# Altium PCB LAUNCHXL-F28379D-REV2.0.PcbDoc (part 2 of 4)
Units mil, origin at the board's own origin, x right, y up, seen from the top; angles counter-clockwise.
Board outline 5110 x 2300 mil, 6 copper layers (Top, GND, Route1, Route2, VDD, Bottom), stack 61.008 mil thick; 247 components, 311 nets, 1123 pads, 621 vias.
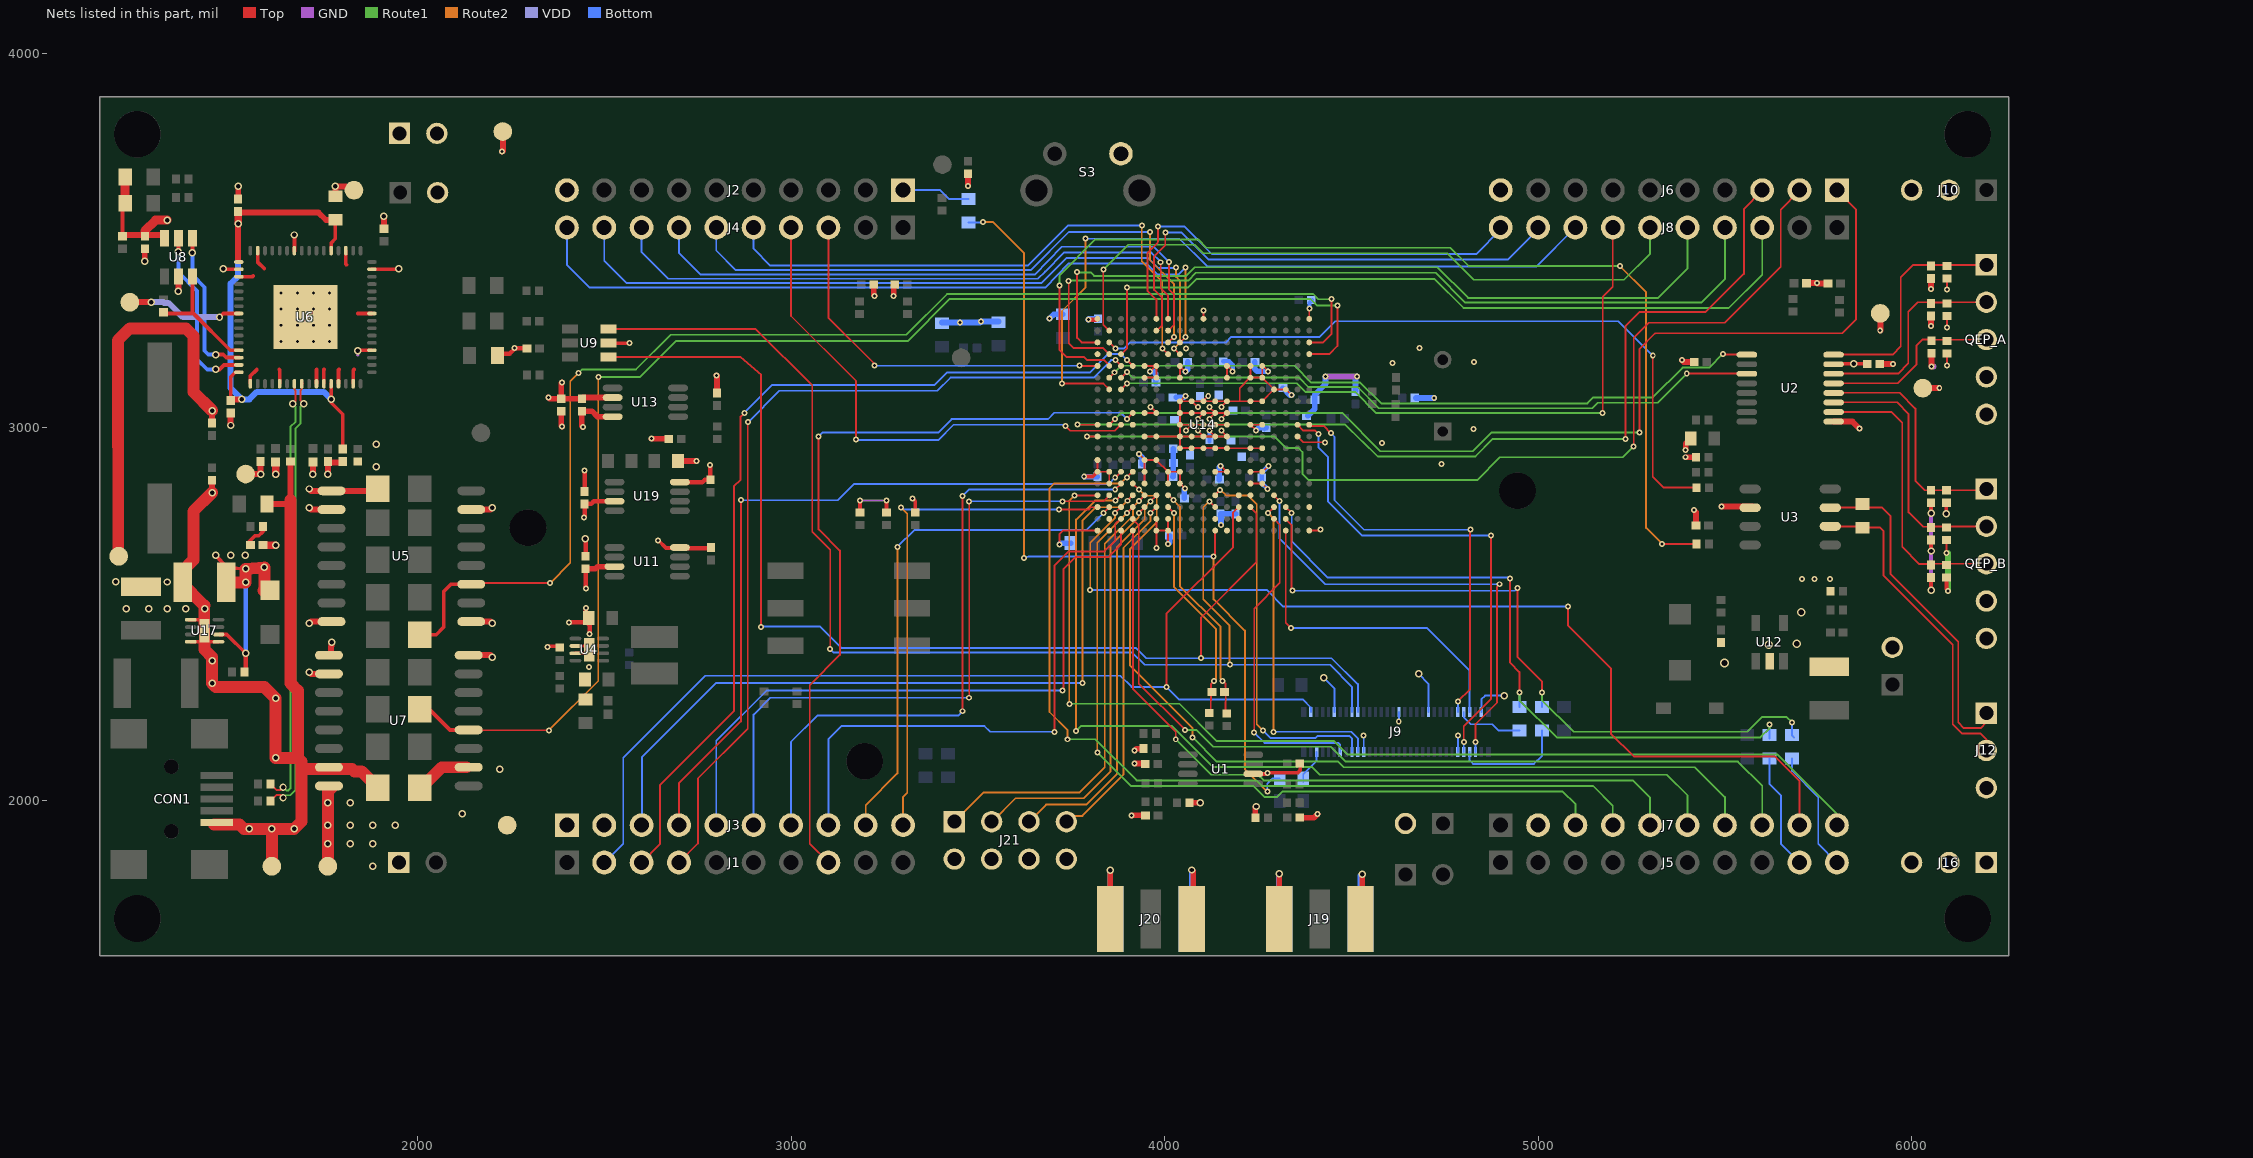
[diagram p6: the nets of this part, all layers, seen from the top]

## Via types
v1: diameter 16/16/16/16/16/16 (per signal layer), hole 8, Top to Bottom, tented both sides, 453 vias
v2: diameter 20/20/20/20/20/20 (per signal layer), hole 12, Top to Bottom, tented both sides, 122 vias
v3: diameter 16, hole 8, Top to Bottom, tented both sides, 22 vias
v4: diameter 20, hole 8, Top to Bottom, tented both sides, 16 vias
v5: diameter 23/23/23/23/23/23 (per signal layer), hole 15, Top to Bottom, tented both sides, 4 vias
v6: diameter 20, hole 12, Top to Bottom, tented both sides, 4 vias

## Nets (pads, with @x,y where several pads share a name; then routed paths per layer and width w, separated by ;. In a path a pad name is that pad's centre, name@x,y a point inside that pad or via, vN(x,y) a via of type N, cw(c..) or ccw(c..) an arc to the next point about the centre after c; other vN are vias at no path point) (continued)
+5V: C1.2 C2.2 C5.2 C9.2 C32.2 J3.1 J16.1 JP3.2 JP5.2 JP6.2 QEP_A.4 QEP_B.4 R13.1 R29.1 R48.1 R49.1 R50.1 R51.1 U2.15 U11.7 U13.2 U19.7 | length 852.8
  Top w5: C32.2@5877.72,3169.41 C32.2@5878.31,3170 ; v1(6093,2664) R50.1@6093,2695.32 ; v1(6095,3165) R48.1@6095,3195.32 ; v1(6095,3267) R29.1@6095,3295.32 ; v1(6095,3369) R13.1@6095,3395.32
  Top w10: U2.15@5776,3170 v2(5845,3170) C32.2@5878.31,3170 ; R51.1@6093,2595.32 6093.19,2595.5 6093.5,2595.5 6093.5,2567.5 v1@6098,2563 ; v2(6093,2769) R49.1@6093,2795.32
  Top w12: v1(2446,2759) 2447.56,2760.56 C5.2@2447.56,2794.84 2464.84,2794.84 2472.2,2802.2 U19.7@2527.4,2802.2 ; C9.2@2450.04,2621.48 2450.04,2569.96 v1(2451,2569)
  Top w15: v1(2350.5,3080) 2353.77,3076.73 C2.2@2385,3076.73 ; v1(2387,3120.5) 2385,3118.5 C2.2@2385,3076.73 ; C9.2@2450.04,2621.48 2476.48,2621.48 2482.2,2627.2 U11.7@2527.4,2627.2 ; U13.2@2522.4,3079.8 2443.06,3079.8 C1.2@2440,3076.73 C2.2@2385,3076.73
  Route1 w16: v1@6098,2563 v1@6098,2664
  other v1: 6098,2562
ADCIN14/ANALOGIN: J3.3 U14.T4 | length 2039.6
  Top w5: v1(3900.5,2803.5) U14.T4@3915.02,2818.02
  Route2 w5: v1(3780.01,2315.92) 3780,2328.92 3780,2750 3816,2786 3883,2786 v1(3900.5,2803.5)
  Bottom w5: J3.3@2601.33,1936.33 2601.33,2117.83 2799.5,2316 3719,2315.88 v1(3780.01,2315.92)
ADCIN15/ANALOGIN: J7.3 U14.U4 | length 2102.1
  Top w5: v1(3900,2771) 3915.06,2786.06 U14.U4@3915.06,2786.53
  Route1 w5: v1(3820,2130) 3910,2040 4238,2040 4268,2010 4300,2010 4315,2025 5065.73,2025 5100,1992 J7.3@5100,1935
  Route2 w5: v1(3820,2130) 3820,2691 v1(3900,2771)
ADCINA0/ANALOGIN(DACA): J3.10 U14.U1 | length 1391.4
  Top w5: v1(3718,2780) 3797,2780 3803,2786 3817.1,2786 U14.U1@3820.58,2786.53
  Route2 w5: v1(3295,2785) 3311,2769 3311,2022 3300,2011 J3.10@3300,1935
  Bottom w5: v1(3295,2785) 3300,2780 v1(3718,2780)
ADCINA1/ANALOGIN(DACB): J7.10 U14.T1 | length 2832.6
  Top w5: v1(3759,2818) 3779.02,2818.02 U14.T1@3820.58,2818.02
  Route1 w5: v1(3745,2260) 4040,2260 4140,2160 4454,2160 4490,2124 5641,2124 5800,1965 J7.10@5800,1935
  Route2 w5: v1(3745,2260) 3745,2804 v1(3759,2818)
ADCINA2/ANALOGIN: J3.9 U14.U2 | length 1391.7
  Top w5: v1(3837,2771) 3852.03,2786.03 U14.U2@3852.03,2786.53
  Route2 w5: J3.9@3200,1935 3200,1988.63 3285,2073.63 v1(3285,2680)
  Bottom w5: v1(3285,2680) 3330,2725 3791,2725 v1(3837,2771)
ADCINA3/ANALOGIN: J3.6 U14.T2 | length 1799.2
  Top w5: v1(3477,2801) 3477,2279.09 v1(3477.03,2276.13) ; v1(3727,2802) 3837,2802 3852.07,2817.07 U14.T2@3852.07,2818.02
  Bottom w5: J3.6@2900,1935 2900,2231 2945,2276 3463.16,2276 v1(3477.03,2276.13) ; v1(3477,2801) 3478,2802 v1(3727,2802)
ADCINA4/ANALOGIN: J7.9 U14.U3 | length 2616.6
  Top w5: v1(3867,2771) 3882.53,2786.53 U14.U3@3883.57,2786.53 ; v1(5080,2520) 5080,2470 5195,2355 5195,2180 5256,2119 5633,2119 5700,2052 J7.9@5700,1935
  Route2 w5: v1(3801,2565) 3801,2691 3867,2757 v1(3867,2771)
  Bottom w5: v1(3801,2565) 4273,2565 4318,2520 v1(5080,2520)
ADCINA5/ANALOGIN: J7.6 U14.T3 | length 2512.5
  Top w5: v1(3869,2804) 3883.02,2818.02 U14.T3@3883.57,2818.02
  Route1 w5: v1(3763,2187) 3776,2200 4020,2200 4129,2091 4394,2091 4415,2070 5345,2070 5400,2015 J7.6@5400,1935
  Route2 w5: v1(3763,2187) 3763,2753 3814,2804 v1(3869,2804)
ADCINB0: U14.V2
ADCINB1: U14.W2
ADCINB2/ANALOGIN: J3.8 U14.V3 | length 1556.6
  Top w5: v1(3705,2185) 3705,2629 3744,2668 3839,2668 3868,2697 3868,2742 3882.03,2755.03 U14.V3@3883.57,2755.03
  Bottom w5: J3.8@3100,1935 3100,2165 3135,2200 3518,2200 3533,2185 v1(3705,2185)
ADCINB3/ANALOGIN: J3.5 U14.W3 | length 1756.2
  Top w5: v1(3726.5,2295.5) 3729,2294 3729,2620 3762,2653 3850,2653 3883.57,2686.57 U14.W3@3883.57,2723.54
  Bottom w5: J3.5@2800,1935 2800,2161 2934.5,2295.5 v1(3726.5,2295.5)
ADCINB4/ANALOGIN: J7.8 U14.V4 | length 2336.6
  Top w5: U14.V4@3915.06,2755.03 3914.03,2755.03 3931,2738.06 3931,2314 v1(4055,2190)
  Route1 w5: v1(4055,2190) 4085,2190 4130,2145 4445,2145 4485,2105 5535,2105 5600,2040 J7.8@5600,1935
ADCINB5/ANALOGIN: J7.5 U14.W4 | length 2014.2
  Top w5: U14.W4@3915.06,2723.54 3915.06,2299.94 4030,2185 v1(4030,2165)
  Route1 w5: v1(4030,2165) 4125,2070 4250,2070 4265,2055 5253,2055 5300,2008 J7.5@5300,1935
ADCINC2/ANALOGIN: J3.7 U14.R3 | length 1730.7
  Top w5: v1(3459,2240) v1(3459,2816) ; v1(3868,2834) 3883.52,2849.52 U14.R3@3883.57,2849.52
  Bottom w5: J3.7@3000,1935 3000,2158 3071,2229 3449,2229 v1(3459,2240) ; v1(3459,2816) 3477,2834 v1(3868,2834)
ADCINC3/ANALOGIN: J3.4 U14.P3 | length 1987.7
  Top w5: J3.4@2700,1935 2700,2047 2866,2213 v1(2866,2805) ; v1(3868,2866) 3869.55,2867 U14.P3@3883.57,2881.02
  Bottom w5: v1(2866,2805) 3125,2805 3168,2848 3850,2848 v1(3868,2866)
ADCINC4/ANALOGIN: J7.7 U14.R4 | length 2385.8
  Top w5: U14.R4@3915.06,2849.52 3915.48,2849.52 v1(3932,2833)
  Route1 w5: v1(4075,2170) 4140,2105 4465,2105 4480,2090 5420,2090 5500,2010 J7.7@5500,1935
  Route2 w5: v1(3932,2833) 3948,2817 3973,2817 3979,2811 3979,2746 3908,2675 3908,2362 4075,2195 v1(4075,2170)
ADCINC5/ANALOGIN: J7.4 U14.P4 | length 2518.9
  Top w5: v1(3899,2866) 3914.02,2881.02 U14.P4@3915.06,2881.02
  Route1 w5: v3(3740,2165) 3815,2165 3925,2055 4245,2055 4260,2040 5147,2040 5200,1987 J7.4@5200,1935
  Route2 w5: v3(3740,2165) 3740,2190 3692,2238 3692,2837 3705,2850 3883,2850 v1(3899,2866)
ADCIND0: J21.1 U14.T5 | length 1236.7
  Top w5: v1(3931,2802.5) 3930.54,2802 U14.T5@3946.56,2818.02
  Route2 w5: J21.1@3437.17,1944.21 3514.96,2022 3772,2022 3840,2090 3840,2688 3916,2764 3916,2787.5 v1(3931,2802.5)
ADCIND1: J21.3 U14.U5 | length 1119.7
  Top w5: v1(3931,2770.5) 3931,2770.97 U14.U5@3946.56,2786.53
  Route2 w5: J21.3@3537.17,1944.21 3538.16,1944.21 3600.95,2007 3784,2007 3855,2078 3855,2683 3931,2759 v1(3931,2770.5)
ADCIND2: J21.5 U14.T6 | length 1078.2
  Top w5: v1(3962,2802) 3978.06,2817.06 U14.T6@3978.06,2818.02
  Route2 w5: J21.5@3637.5,1944.55 J21.5@3637.17,1944.21 3682.95,1990 3790,1990 3873,2073 3873,2680 3947,2754 3947,2786 v1(3962,2802)
ADCIND3: J21.7 U14.U6 | length 958.3
  Top w5: v1(3962,2770.5) U14.U6@3978.06,2786.53
  Route2 w5: J21.7@3737,1943.88 J21.7@3737.17,1944.21 3752.95,1960 3780,1960 3890,2070 3890,2677 3962,2749 v1(3962,2770.5)
ADCIND4: C40.2 R58.1 U14.T7 | length 647.7
  Top w5: U14.T7@4009.02,2818.02 4010.98,2818.02 v1(4024,2805) ; v1(4155,2321) 4163.5,2313.23 C40.2@4163.7,2292.06 ; C40.2@4163.7,2292 4163.2,2240.66 R58.1@4166.72,2237.15
  Route2 w5: v1(4024,2805) 4041,2788 4041,2575.21 4150,2466.21 4150,2326 v1(4155,2321)
ADCIND5: C40.1 R65.1 U14.U7 | length 609.2
  Top w5: U14.U7@4009.55,2786.53 4025,2771.08 v1(4025,2771) ; R65.1@4119.44,2237.82 4123.83,2242.21 4124.33,2292.03 4124.33,2311.33 4124.5,2313.5 v1(4132.5,2321.5)
  Route2 w5: v1(4025,2771) 4025.5,2770 4025.5,2572.26 4138,2459.76 4138,2327 v1(4132.5,2321.5)
AGND: C10.1 C11.1 C12.1 C13.1 C14.1 C15.1 C16.1 C17.1 C18.1 C43.1 C44.2 C45.1 CON1.5 D4.1 JP2.1 R23.2 R24.1 R25.1 TP14.TP TP15.TP TP16.TP TP17.TP U5.2 U5.8 U6.1 U6.5 U6.10 U6.11 U6.13 U6.15 U6.25 U6.35 U6.47 U6.51 U6.65 U7.9 U7.15 U8.2 U17.1 U17.4 U17.5 U17.9 | length 4771.5
  Top w10: U17.1@1388.03,2485 U17.9@1419.37,2485 ; U17.4@1392.8,2425.94 U17.9@1419.06,2425.94 ; U17.9@1430.94,2425.94 U17.5@1467.2,2425.94 ; U6.51@1522.83,3403.27 1558.27,3403.27 1560,3405 ; U6.1@1552.36,3117.83 1552.36,3137.36 1570,3155 ; U6.47@1572.05,3472.17 1572.05,3442.95 1590,3425 ; 1630,3155 1631.1,3153.9 U6.5@1631.1,3117.83 ; U6.10@1729.53,3117.83 1729.53,3154.53 1730,3155 ; U6.11@1749.21,3117.83 1749.21,3154.21 1750,3155 ; U6.13@1788.58,3117.83 1788.58,3153.58 1790,3155 ; U6.35@1808.27,3472.17 1808.27,3436.73 1810,3435 ; U6.15@1827.95,3117.83 1827.95,3152.95 1830,3155 ; 1840,3305 1840.16,3304.84 U6.25@1877.17,3304.84 ; R25.1@1894.02,2035 R25.1@1894.02,2040.98
  Top w12: U17.9@1419.06,2425.94 1430,2415 ; U17.9@1419.37,2485 U17.9@1429.37,2475 ; U17.9@1430,2425 U17.9@1430.94,2425.94
  Top w15: v2(1270,3445) C16.1@1270,3478.27 ; C13.1@1520,3611.73 v2(1520,3645)
  Top w16: v2(1360,3365) U8.2@1360,3403.82 U8.2@1360,3413.82 ; v2(1450,2825) C18.1@1450,2855.32 ; C17.1@1450,3014.69 v2(1450,3045) ; v2(1500,3005) C12.1@1500,3035.32 ; TP16.TP@1540,2875 v2(1580,2875) C11.1@1580,2905.32 ; D4.1@1589.53,2795 D4.1@1597.4,2795 1650,2795 1660,2805 R24.1@1660,2908.27 ; v2(1710,2475) 1715,2480 U5.8@1768.9,2480 ; v2(1710,2785) 1715,2780 U5.2@1768.9,2780 ; v2(1760,2875) C10.1@1760,2905 ; C10.1@1760,2905.32 C10.1@1760,2905 ; U7.9@1768.9,2390 1768.9,2413.9 1770,2415 v2(1770,2425) ; C15.1@1780,3626.5 v2(1780,3645) 1810,3645 1820,3635 TP14.TP@1830,3635 ; C14.1@1800,2905.32 1760.32,2905.32 C10.1@1760,2905 ; R23.2@1910,3534.69 v2(1910,3565)
  Top w20: C43.1@1586.73,2685 v2(1620,2685)
  Top w30: v2@1429.37,2522.64 1429.37,2475 1429.37,2455.47 1430,2454.84 U17.9@1430,2425
  Top w32: TP17.TP@1198.89,2655 1198,3233 1230,3265 1380,3265 1400,3245 1400,3095 v2(1450,3045) ; C45.1@1367.01,2585 v2@1429.37,2522.64 ; C45.1@1370,2615 1400,2645 1400,2775 v2(1450,2825) ; U17.9@1430,2425 1430,2415 1430,2405 1450,2385 v2(1450,2375) v2(1450,2315) 1460,2305 1590,2305 v2(1620,2275) v2(1620,2115) 1680,2115 ; CON1.5@1455,1937 1523,1937 1535,1925 v2(1550,1925) v2(1610,1925) ; TP15.TP@1610,1825 v2(1610,1925) ; 1660,2805 1660,2315 1680,2295 1680,2115 ; R25.1@1894.02,2035 1850,2079.02 1830.98,2079.02 1825,2085 1690,2085 ; v2(1610,1925) v2(1670,1925) 1690,1945 1690,2085 ; 1680,2115 1690,2105 1690,2085
  other v2: 1220,2515 1280,2515 1330,2515 1380,2515 1430,2515 1330,2586 1192,2587
  other v4: 1635.04,3230.04 1678.35,3230.04 1721.65,3230.04 1764.96,3230.04 1635.04,3273.35 1678.35,3273.35 1721.65,3273.35 1764.96,3273.35 1635.04,3316.65 1678.35,3316.65 1721.65,3316.65 1764.96,3316.65 1635.04,3359.96 1678.35,3359.96 1721.65,3359.96 1764.96,3359.96
CANH: J12.1 R34.2 U3.7 | length 918.4
  Top w5: U3.7@5782.28,2785 5858.5,2785 R34.2@5868,2794.5 5877.5,2785 5921,2785 5943,2763 5943,2608 6125,2425.5 6125,2210 6140,2195 6185,2195 6200,2210 J12.1@6200,2235
CANL: J12.2 R34.1 U3.6 | length 878.6
  Top w5: U3.6@5782.28,2735 5864.5,2735 R34.1@5868,2731.5 5916,2731.5 5924.5,2723 5924.5,2604 6110,2418.5 6110,2205 6135,2180 6185,2180 6200,2165 J12.2@6200,2135
D+: R33.2 U6.8 | length 1188.8
  Top w4.9: R33.2@1606.73,2000 1622.73,2016 1633,2016 1640,2009 v6(1640,2008) ; U6.8@1690.16,3116.85 1690.16,3101.61 1686.82,3098.26 1686.91,3098.16 1686.91,3071.09 v6(1695,3063)
  Top w10: U6.8@1690.16,3116.85 U6.8@1690.16,3117.83
  Route1 w5.1: v6(1640,2008) 1647,2015 1660,2015 1673,2028 1673,2996 1686.82,3009.82 1686.82,3054.82 v6(1695,3063)
D-: R15.2 U6.7 | length 1166.5
  Top w4.9: R15.2@1606.73,2045 1622.73,2029 1633,2029 1640,2036 v6(1640,2037) ; v6(1666.37,3063) 1673.82,3070.45 1673.82,3098.26 1670.47,3101.61 U6.7@1670.47,3116.85
  Route1 w5.1: v6(1640,2037) 1649,2028 1654.62,2028 1660,2033.38 1660,3001.38 1673.82,3015.2 1673.82,3055.55 v6(1666.37,3063)
EQEP1A: C50.2 QEP_A.1 R13.2 U2.16 | length 617.7
  Top w5: U2.16@5790.31,3195 5949,3195 5971,3217 5971,3402 6004,3435 C50.2@6051.69,3435 ; C50.2@6052,3434.69 C50.2@6051.69,3435 ; C50.2@6056.69,3435 C50.2@6051.69,3435 ; C50.2@6057,3434.69 R13.2@6095,3434.69 ; R13.2@6095.31,3435 R13.2@6095,3434.69 ; R13.2@6100,3434.69 R13.2@6095,3434.69 ; R13.2@6100.31,3435 QEP_A.1@6200,3435
EQEP1B: C51.2 QEP_A.2 R29.2 U2.14 | length 570.6
  Top w5: U2.14@5790.31,3143.82 5963.82,3143.82 5991,3171 5991,3310 6016,3335 C51.2@6051.69,3335 ; C51.2@6052,3334.69 C51.2@6051.69,3335 ; C51.2@6056.69,3335 C51.2@6051.69,3335 ; C51.2@6057,3334.69 R29.2@6095,3334.69 ; R29.2@6095.31,3335 R29.2@6095,3334.69 ; R29.2@6100,3334.69 R29.2@6095,3334.69 ; R29.2@6100.31,3335 QEP_A.2@6200,3335
EQEP1I: C52.2 QEP_A.3 R48.2 U2.13 | length 488.2
  Top w5: U2.13@5790.31,3118.23 5963.23,3118.23 6013,3168 6013,3219 6029,3235 C52.2@6052.69,3235 ; C52.2@6053,3234.69 C52.2@6052.69,3235 ; C52.2@6057.69,3235 C52.2@6052.69,3235 ; C52.2@6058,3234.69 6199.69,3234.69 QEP_A.3@6200,3235
EQEP2A: C53.2 QEP_B.1 R49.2 U2.12 | length 632.6
  Top w5: U2.12@5790.31,3092.64 5968.36,3092.64 6010,3050 6010,2856.73 6035,2831.73 C53.2@6052,2831.73 R49.2@6093,2831.73 6196.73,2831.73 QEP_B.1@6200,2835
EQEP2B: C54.2 QEP_B.2 R50.2 U2.11 | length 704.4
  Top w5: U2.11@5790.31,3067.05 5960.95,3067.05 5992,3035 5992,2772.26 6031.53,2734 6053.31,2734 6053.22,2734.05 6052,2734.69 6199.69,2734.69 QEP_B.2@6200,2735
EQEP2I: C55.2 QEP_B.3 R51.2 U2.10 | length 775.9
  Top w5: U2.10@5790.31,3041.46 5945.54,3041.46 5975,3012 5975,2680 6021,2634 6053.31,2634 6053.22,2634.05 6052,2634.69 6199.69,2634.69 QEP_B.3@6200,2635
ERRORSTS: U14.U19
FLT1: U14.W12
FLT2: U14.V13
FTDI_1V8: C12.2 C13.2 C14.2 C15.2 U6.12 U6.37 U6.49 U6.64 | length 1574.7
  Top w10: C12.2@1500,3074.69 1519.69,3074.69 1520,3075 v2(1530,3075) ; C12.2@1500,3075 1500,3135 1512.36,3147.36 U6.64@1522.83,3147.36 ; 1520,3450 1522.83,3452.17 U6.49@1522.83,3442.64 ; 1540,3575.32 1540.32,3575 ; U6.12@1768.9,3117.83 v2(1768.9,3075) 1768.9,3066.1 1800,3035 C14.2@1800,2944.69 ; U6.37@1768.9,3472.17 1768.9,3493.9 1780,3505 1780,3555 C15.2@1780,3563.5
  Top w16: C12.2@1500,3075 v2@1520,3075 ; 1520,3450 v2(1520,3545) ; C13.2@1520,3575.32 1540,3575.32 1734.68,3575.32 1755,3555 1780,3555 1780.5,3555 C15.2@1781,3555.5
  Top w20: v2(1520,3545) C13.2@1520,3575.32
  Bottom w16: v2(1520,3545) 1520,3405 1500,3385 1500,3105 v2(1530,3075) 1550,3075 1570,3095 1748.9,3095 v2(1768.9,3075)
FTDI_3V3: C16.2 C43.2 C45.2 D7.2 D8.2 JP1.1 L1.2 L2.2 L7.1 R12.1 R21.1 R22.1 R46.2 R47.1 TP11.TP TP30.TP U5.1 U6.20 U6.31 U6.42 U6.50 U6.56 U7.10 U7.16 U8.6 U17.6 | length 2150.6
  Top w10: R12.1@1210,3514.69 D8.2@1210,3595 ; C16.2@1270,3514.69 C16.2@1270,3515 ; U8.6@1320,3515 1320.32,3514.69 1321.1,3514.69 U8.6@1322.6,3516.18 ; v2(1460,2657) 1490,2625 1491.26,2624.9 1496.15,2624.51 v2(1540,2621) ; v2(1470,3295) 1479.84,3304.84 U6.56@1522.83,3304.84 ; U17.6@1470.71,2445.63 1489.37,2445.63 v2(1540,2395) ; v2(1480,3425) 1482.05,3422.95 U6.50@1522.83,3422.95 ; C43.2@1550.32,2685 1550.32,2695.32 1565,2710 1575,2710 1585,2720 ; v2(1670,3515) 1670.47,3514.53 U6.42@1670.47,3472.17 ; v2(1840,3205) 1841.42,3206.42 U6.20@1877.17,3206.42 ; U6.31@1877.17,3422.95 1947.95,3422.95 v2(1950,3425) ; 1585,2720 1585,2730.32 1588.21,2733.52 1589.69,2735 1589.69,2724.69 1585,2720
  Top w12: R47.1@1539.69,2345 1540,2345.32 v2(1540,2395) 1539.69,2384.68 R47.1@1539.69,2345
  Top w16: R12.1@1210,3514.69 1270,3514.69 1319.69,3514.69 U8.6@1320,3515 ; TP30.TP@1230,3335 v2(1287,3335) ; v2(1710,2345) 1715,2340 U7.10@1762.99,2340 U7.10@1768.9,2340 ; v2(1710,2835) 1715,2830 U5.1@1768.9,2830 ; v2(1720,2875) L2.2@1720,2906.89 ; U5.1@1770,2830 1889.02,2830 R21.1@1894.02,2835
  Top w20: v2(1620,2875) L1.2@1620,2906.89
  Top w24: D8.2@1217.6,3599 D8.2@1217.6,3600 D7.2@1217.6,3665 ; C16.2@1270,3515 1270,3526 1299,3555 v2(1330,3555)
  Top w32: C45.2@1492.99,2585 v2(1540,2585) v2(1540,2621) v2(1590,2625) 1590,2563.54 L7.1@1588.18,2563.54 ; TP11.TP@1760,1825 v2(1760,1885) v2(1760,1935) v2(1760,1995) 1760,2025 U7.16@1770,2035
  GND w10: 1840,3195 v2(1840,3205)
  VDD w16: v2(1287,3335) 1320,3335 1322,3333 1334,3333 1372,3295 v2(1470,3295)
  Bottom w12: v2(1540,2395) v2(1540,2585)
  other v2: 1880,1825 1820,1885 1880,1885 1820,1935 1880,1935 1940,1935 1820,1995 1499.5,2657 1539.5,2657 1890,2895 1890,2955
FTDI_CLK: U6.62 U8.4 | length 425.1
  Top w10: v2(1397.4,3467.6) U8.4@1397.4,3516.18 ; v2(1460,3195) 1480,3195 1488.27,3186.73 U6.62@1522.83,3186.73
  Bottom w10: v2(1397.4,3467.6) 1397.4,3407.6 1430,3375 1430,3205 1440,3195 v2(1460,3195)
FTDI_CS: U6.63 U8.5 | length 483.9
  Top w10: v2(1360,3470) U8.5@1360,3506.18 U8.5@1360,3516.18 ; v2(1460,3155) 1470,3155 1482.05,3167.05 U6.63@1522.83,3167.05
  Bottom w10: v2(1360,3470) 1360,3415 1410,3365 1410,3182 1437,3155 v2(1460,3155)
FTDI_DATA: R31.2 U6.61 U8.3 | length 353.6
  Top w10: R31.2@1320,3305.32 1330,3305 1400,3305 ; U8.3@1397.4,3413.82 1397.4,3307.6 1400,3305 ; U6.61@1522.83,3206.42 1498.58,3206.42 1400,3305
GND: C1.1 C2.1 C5.1 C6.1 C7.1 C8.1 C9.1 C19.1 C20.1 C21.1 C22.1 C23.1 C24.1 C27.1 C28.1 C29.1 C30.1 C31.2 C32.1 C33.1 C34.1 C35.1 C36.1 C37.1 C38.1 C39.2 C41.2 C42.1 C46.1 C47.1 C48.1 C49.1 C50.1 C51.1 C52.1 C53.1 C54.1 C55.1 C56.1 C57.2 C58.1 C59.1 C60.1 C61.1 C62.1 C63.1 C64.1 C65.1 C66.1 C67.1 C68.1 C69.1 C70.1 C71.1 C72.1 C73.1 C74.1 C75.1 C76.1 C77.1 C78.1 C79.1 C80.1 C81.1 C82.1 C83.1 C84.2 C85.2 D1.1 J2.10 J3.2 J6.10 J7.2 J9.1 J9.10 J9.19 J9.29 J9.42 J9.51 J10.2 J10.3 J12.3 J16.2 J16.3 J19.1 J19.3 J19.4 J19.5 J20.1 J20.3 J20.4 J20.5 J21.2 J21.4 J21.6 J21.8 JP2.2 QEP_A.5 QEP_B.5 R8.1 R9.1 R10.1 R25.2 R42.2 R45.2 R55.1 R59.1 R61.2 R62.1 R66.2 R79.2 S3.1 TP21.TP TP22.TP TP23.TP TP24.TP U1.6 U2.9 U3.2 U4.2 U4.3 U4.9 U5.9 U5.15 U7.2 U7.8 U9.2 U11.4 U12.2 U13.4 U14.A1 U14.A10 U14.A19 U14.E5 U14.E6 U14.E8 U14.E12 U14.E14 U14.E15 U14.F5 U14.F6 U14.F8 U14.F12 U14.F14 U14.F15 U14.G16 U14.G17 U14.H8 U14.H9 U14.H10 U14.H11 U14.H12 U14.H14 U14.H15 U14.J5 U14.J6 U14.J8 U14.J9 U14.J10 U14.J11 U14.J12 U14.K8 U14.K9 U14.K10 U14.K11 U14.K12 U14.K14 U14.K15 U14.L5 U14.L6 U14.L8 U14.L9 U14.L10 U14.L11 U14.L12 U14.L18 U14.M8 U14.M9 U14.M10 U14.M11 U14.M12 U14.M14 U14.M15 U14.N1 U14.N5 U14.N6 U14.P1 U14.P2 U14.P5 U14.P7 U14.P8 U14.P11 U14.P12 U14.P14 U14.P15 U14.R2 U14.R5 U14.R7 U14.R8 U14.R14 U14.R15 U14.V6 U14.V7 U14.W1 U14.W6 U14.W7 U14.W19 U19.4 | length 8811
  Top w5: v1@3184.77,2803.77 v1(3185,2804) ; v1@3255.93,2803.93 v1(3256,2804) ; v1(3719,2687) 3719,2715 3727.54,2723.54 U14.W1@3820.58,2723.54 ; U14.N1@3820.58,2912.51 U14.P1@3820.58,2881.02 U14.P2@3852.07,2881.02 U14.R2@3852.07,2849.52 ; v1(3931,2929) 3946.56,2913.44 U14.N5@3946.56,2912.51 ; U14.R5@3946.56,2849.52 U14.N5@3946.56,2912.51 ; U14.L5@3946.56,2975.5 U14.L8@4041.05,2975.5 ; U14.J5@3946.56,3038.5 U14.J6@3978.06,3038.5 3978.06,3039.94 v1(3963,3055) ; U14.F5@3946.56,3132.98 U14.F6@3978.06,3132.98 U14.E6@3978.06,3164.48 U14.E6@3976.48,3164.48 ; U14.E5@3946.56,3164.48 U14.E6@3976.48,3164.48 ; v1(3961,3149) U14.E6@3976.48,3164.48 ; v1(3978,2677) 3978.06,2677.06 U14.W6@3978.06,2723.54 ; U14.V6@3978.06,2755.03 U14.W6@3978.06,2723.54 ; v1(4009.5,2688) 4009.55,2688.55 U14.W7@4009.55,2723.54 ; U14.V7@4009.55,2755.03 U14.W7@4009.55,2723.54 ; U14.R7@4009.55,2849.52 U14.P7@4009.55,2881.02 ; U14.M8@4039.34,2945.72 4038.37,2944.76 U14.M8@4041.05,2944.76 ; U14.M8@4039.34,2945.73 U14.M8@4041.05,2947.43 ; U14.M8@4041.05,2944.01 U14.M8@4041.05,2944.76 ; U14.F8@4041.05,3132.98 U14.E8@4041.05,3163.95 ; U14.E8@4041.05,3164.48 U14.E8@4041.05,3163.95 ; v1(4055,2836) 4041.48,2849.52 U14.R8@4041.05,2849.52 U14.P8@4041.05,2881.02 U14.P7@4009.55,2881.02 ; v1(4056,3084) U14.H8@4041.99,3069.99 ; v1(4056,3149) U14.E8@4041.05,3163.95 ; v1(4058,2991) 4058,2992.46 U14.K9@4072.54,3007 ; U14.M9@4072.54,2944.01 U14.M9@4071.8,2944.76 ; v1(4089,2991) 4089,2990.54 U14.L10@4103.54,2976 ; v1(4089,3023) 4104.04,3038.04 U14.J10@4104.04,3038.5 ; v1(4089,3054) U14.H9@4073.01,3069.99 ; v1(4104,3313) 4104.04,3310.96 U14.A10@4104.04,3290.46 ; U14.M10@4104.04,2944.01 U14.M10@4103.29,2944.76 ; v1(4117,3084) 4104.04,3071.04 U14.H10@4104.04,3069.99 ; v1(4120,2991) U14.L11@4135.04,2976 ; v1(4120,3023) U14.J11@4135.54,3038.5 ; v1(4120,3054) U14.J11@4135.54,3038.5 ; U14.P11@4135.54,2881.02 U14.P12@4167.03,2881.02 ; U14.M11@4135.54,2944.01 U14.M11@4134.79,2944.76 ; U14.L11@4135.54,2975.5 U14.L11@4135.04,2976 ; v1(4150,2897) U14.P12@4167.03,2881.02 ; v1(4152,2991) 4152,2990.54 U14.L12@4166.53,2976 ; v1(4152,3023) 4152,3023.46 U14.J12@4167.03,3038.5 U14.J11@4135.54,3038.5 ; v1(4152,3054) 4152,3054.96 U14.H12@4167.03,3069.99 ; U14.P12@4167.03,2881.02 U14.P12@4167.03,2881.02 U14.P12@4167.03,2881.02 ; U14.K12@4167.03,3007 U14.K11@4135.54,3007 U14.K10@4104.04,3007 U14.K9@4072.54,3007 ; U14.F12@4167.03,3132.98 U14.E12@4167.03,3164.48 4167.52,3164.48 v1(4182,3150) ; 4201,3070 4201.5,3070.5 4201.5,3105 U14.F14@4230.02,3133.52 ; U14.R14@4230.02,2849.52 U14.R15@4261.52,2849.52 v1(4276,2835) ; U14.P14@4230.02,2881.02 4263.02,2881.02 v1(4278,2896) ; U14.E14@4230.02,3164.48 U14.F14@4230.02,3133.52 ; v1(4245,2992) U14.K14@4230.02,3007 U14.K15@4261.52,3007 ; U14.M15@4261.52,2944.01 U14.M12@4167.03,2944.01 4166.28,2944.76 U14.M11@4134.79,2944.76 ; v1(4277,3150) 4262.52,3164.48 U14.E15@4261.52,3164.48 U14.F15@4261.52,3132.98 ; v1(4340,3086) U14.G17@4324.51,3101.49 U14.G16@4293.02,3101.49 ; U14.L18@4356.01,2975.5 4356.01,2974.99 4371,2960 v1(4430,2960) ; U14.W19@4387.5,2723.54 4415.46,2723.54 v1(4417,2726) ; U14.A19@4387.5,3290.46 4387.5,3314.5 v1(4388,3318) ; C34.1@5721.5,3385.83 5742.7,3385.83 5766.15,3385.83 C35.1@5773.49,3385.17 ; U14.N5@3946.56,2912.51 U14.N6@3978.06,2912.51 U14.P7@4009.55,2881.02 ; U14.W6@3978.06,2723.54 U14.W7@4009.55,2723.54 ; U14.M8@4041.05,2944.76 U14.M9@4071.8,2944.76 ; U14.M8@4041.05,2944.76 U14.M8@4041.05,2947.43 ; U14.M8@4041.05,2947.43 U14.L8@4041.05,2975.5 ; U14.L8@4041.05,2975.5 U14.K8@4041.05,3007 ; U14.L8@4041.05,2975.5 U14.L9@4072.54,2975.5 4073.04,2976 U14.L10@4103.54,2976 ; U14.K8@4041.05,3007 U14.J8@4041.05,3038.5 ; U14.K8@4041.05,3007 U14.K9@4072.54,3007 ; U14.J8@4041.05,3038.5 U14.H8@4041.05,3069.99 U14.H8@4041.99,3069.99 ; U14.J8@4041.05,3038.5 U14.J10@4104.04,3038.5 ; U14.H8@4041.99,3069.99 4069.98,3069.99 4071.4,3068.57 4071.4,3068.85 U14.H9@4072.54,3069.99 U14.H9@4073.01,3069.99 ; U14.M9@4071.8,2944.76 U14.M10@4103.29,2944.76 ; U14.H9@4073.01,3069.99 U14.H10@4104.04,3069.99 ; U14.M10@4103.29,2944.76 U14.M11@4134.79,2944.76 ; U14.L10@4103.54,2976 U14.L10@4104.04,2975.5 4104.5,2975.5 U14.L10@4105,2976 ; U14.L10@4103.54,2976 U14.L10@4105,2976 ; U14.J10@4104.04,3038.5 U14.J11@4135.54,3038.5 ; U14.H10@4104.04,3069.99 U14.H12@4167.03,3069.99 ; U14.L10@4105,2976 U14.L11@4135.04,2976 ; U14.L11@4135.04,2976 U14.L12@4166.53,2976 ; U14.L12@4166.53,2976 U14.L12@4167.03,2975.5 U14.L12@4166.54,2976 ; U14.H12@4167.03,3069.99 U14.H15@4261.52,3069.99 U14.G16@4293.02,3101.49 ; U14.F14@4230.02,3133.52 U14.F14@4230.02,3132.98 U14.F15@4261.52,3132.98 ; U14.F15@4261.52,3132.98 U14.G16@4293.02,3101.49